# Altium PCB PCB.PcbDoc (part 2 of 2)
Units mil, origin at the board's own origin, x right, y up, seen from the top; angles counter-clockwise.
Board outline 5905.51 x 3937.01 mil, 4 copper layers (Top Layer, Mid Layer 1, Mid Layer 2, Bottom Layer), stack 61.811 mil thick; 117 components, 110 nets, 466 pads, 339 vias.
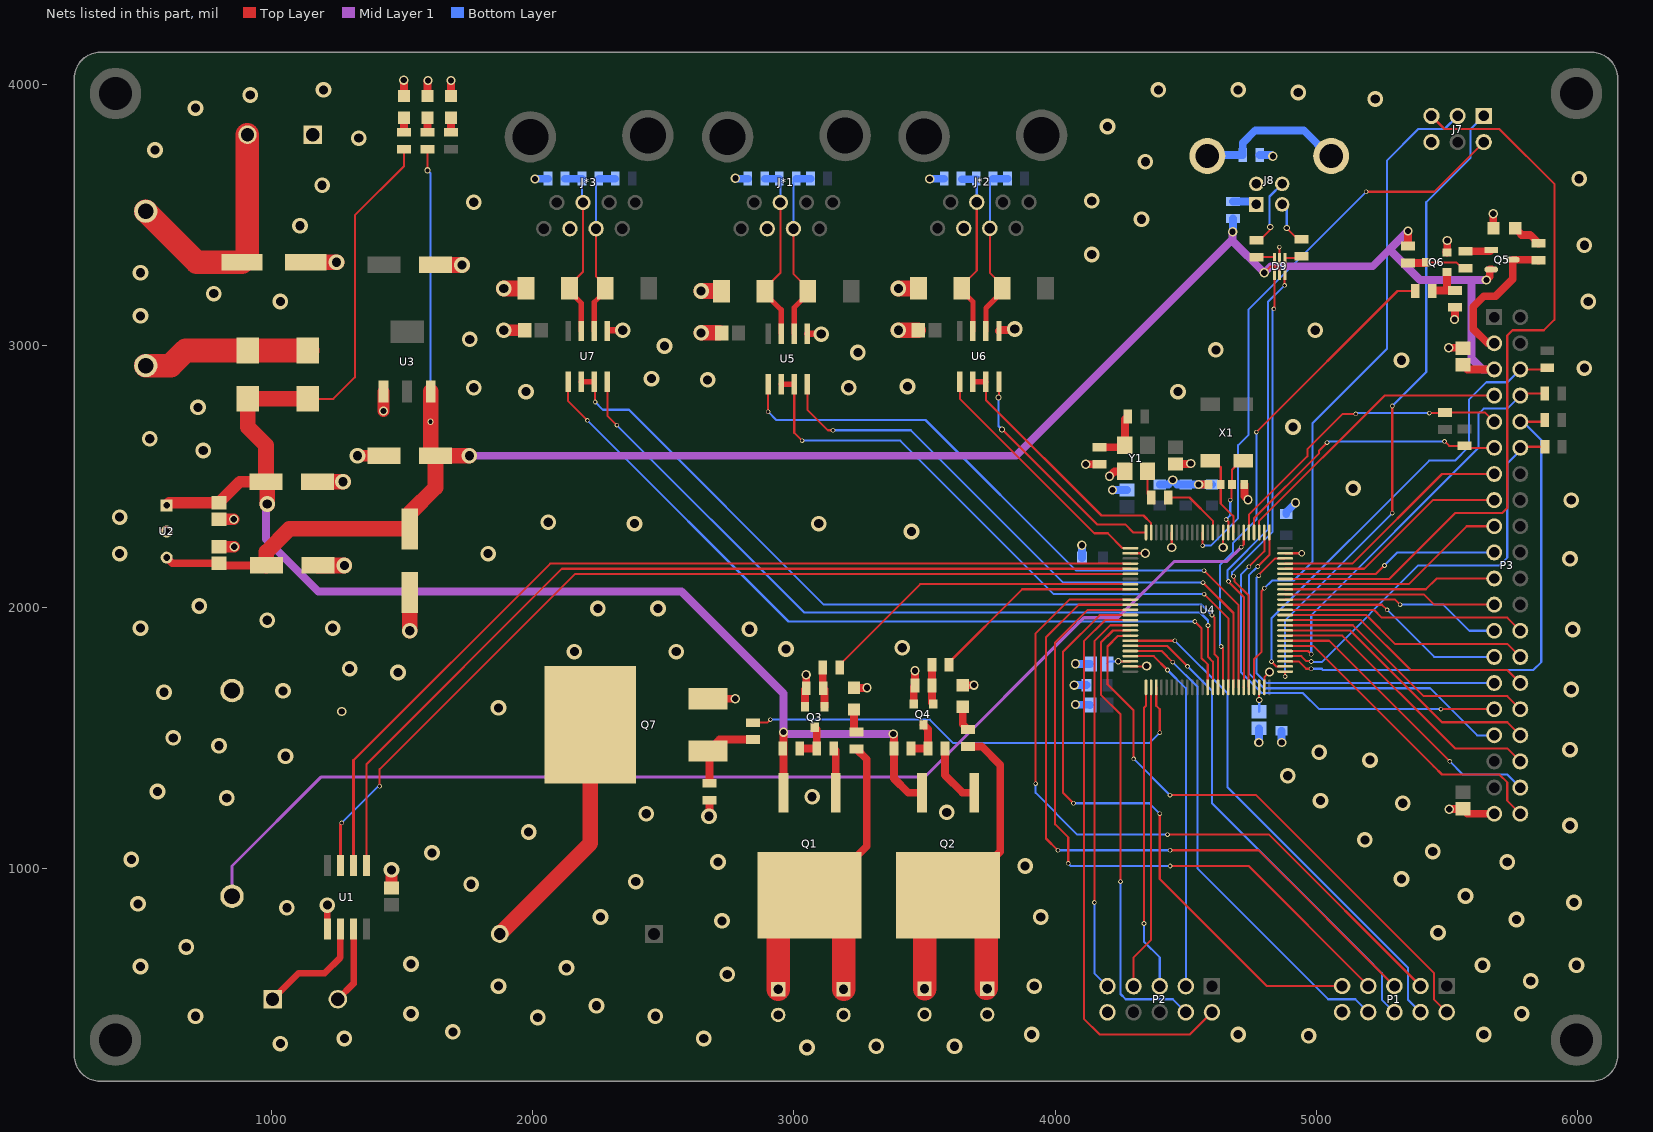
[diagram p4: the nets of this part, all layers, seen from the top]

## Via types
v1: diameter 60, hole 35, Top Layer to Bottom Layer, tented both sides, 199 vias
v2: diameter 17.72, hole 11.81, Top Layer to Bottom Layer, tented both sides, 68 vias
v3: diameter 35.43, hole 23.62, Top Layer to Bottom Layer, tented both sides, 53 vias
v4: diameter 23.62, hole 15.75, Top Layer to Bottom Layer, tented both sides, 19 vias

## Nets (pads, with @x,y where several pads share a name; then routed paths per layer and width w, separated by ;. In a path a pad name is that pad's centre, name@x,y a point inside that pad or via, vN(x,y) a via of type N, cw(c..) or ccw(c..) an arc to the next point about the centre after c; other vN are vias at no path point) (continued)
+5: C4.2 C5.2 C7.1 C8.2 C14.1 D9.5 P3.5 Q5.2 R12.2 R23.2 R38.2 U2.3 U3.3 | length 8178.2
  Top Layer w8: v4(1598,3672) R12.2@1598,3752.52 ; v3(4800,3280) 4823,3303 4855,3303 4859,3299 D9.5@4859,3272.31
  Top Layer w30: U2.3@600,2190 621.72,2168.28 C7.1@800,2168.28 808.28,2160 C5.2@981.57,2160 ; R23.2@5350,3382.48 v3(5350,3440) ; C14.1@5560,2928.28 5578.28,2910 P3.5@5680,2910 ; v3(5650,3252) 5662.69,3264.69 5662.69,3292.6 Q5.2@5669.05,3292.6
  Top Layer w60: C5.2@981.57,2160 981.57,2211.57 1070,2300 C4.2@1530,2300 1530,2360 1628.43,2458.43 C8.2@1628.43,2580 ; U3.3@1610.55,2825.83 1610.55,2710.55 v4(1610,2710) 1610.55,2709.45 1610.55,2597.87 C8.2@1628.43,2580 ; v1(1758.25,2580) C8.2@1628.43,2580
  Mid Layer 1 w30: v1(1758.25,2580) 3850,2580 4679,3409 4679,3416.69 v3(4679,3437) ; 4675,3405 v3(4800,3280) 4825,3305 5215,3305 v3(5350,3440) 5279,3369 5396,3252 5596,3252 ; v3(5650,3252) 5596,3252 ; P3.5@5680,2910 5635,2910 5593,2952 5593,3249 5596,3252
  Bottom Layer w8: v4(1598,3672) 1610,3660 v4(1610,2710)
  Bottom Layer w30: v3(4679,3437) 4680,3438 R38.2@4680,3487.52
+24: C3.2 C6.1 D1.1 D2.1 Q1.3 Q2.3 R1.2 R2.2 R11.2 U2.1 | length 5717.8
  Top Layer w8: D1.1@1140,2797.48 1237.48,2797.48 1320,2880 1320,3500 1508,3688 R11.2@1508,3752.52
  Top Layer w30: v1@980,2400 v1(985,2395) ; Q1.3@2960,1290 2960,1521.95 v3(2960.08,1522.02) ; v3(3380,1515) 3383.52,1511.48 R2.2@3383.52,1460 3383.52,1344.48 3437.84,1290.16 Q2.3@3490,1290.16
  Top Layer w45: U2.1@600,2390 610,2400 C6.1@800,2400 880,2480 C3.2@980,2480
  Top Layer w60: v1(985,2395) 985,2475 C3.2@980,2480 980,2520 980,2620 910,2690 D2.1@910,2797.48 D1.1@1140,2797.48
  Mid Layer 1 w30: v1(985,2395) 980,2390 980,2260 1180,2060 2570,2060 2960.08,1669.92 v3(2960.08,1522.02) 2967.1,1515 v3(3380,1515)
BOOT0: J7.5 U4.94 | length 2925.2
  Top Layer w8: U4.94@4880,2108.11 5278.11,2108.11 5530,2360 5710,2360 5730,2380 5730,3040 5750,3060 5870,3060 5910,3100 5910,3620 5700,3830 5490,3830 J7.5@5440,3880
BtnCancel: P1.6 U4.45 | length 1902.3
  Top Layer w8: U4.45@4287.48,1852.2 4427.8,1852.2 v2(4506.13,1773.87)
  Bottom Layer w8: v2(4506.13,1773.87) 4600,1680 4600,1250 5190,660 5250,600 5250,498.66 P1.6@5298.02,450.64
BtnDC_ON: P1.4 U4.44 | length 1981.2
  Top Layer w8: U4.44@4287.48,1871.89 v2(4458.11,1871.89)
  Bottom Layer w8: v2(4458.11,1871.89) 4660,1670 4660,1310 5350,620 5350,498.66 P1.4@5398.02,450.64
BtnDOWN: P1.5 U4.37 | length 2710.9
  Top Layer w8: v2(4010,1070) 3965,1115 3965,1885 4089.68,2009.68 U4.37@4287.48,2009.68 ; v2(4440,1070) 4778.66,1070 P1.5@5298.02,550.64
  Bottom Layer w8: v2(4010,1070) v2(4440,1070)
BtnENC: P2.9 U4.41 | length 1503.4
  Top Layer w8: v2(4150,870) 4150,1870 4210.94,1930.94 U4.41@4287.48,1930.94
  Bottom Layer w8: v2(4150,870) 4150,600 P2.9@4200,550
BtnLEFT: P1.7 U4.38 | length 2548.2
  Top Layer w8: v2(4050,1020) 4050,1119.44 4000,1169.44 4000,1865 4125,1990 U4.38@4287.48,1990 ; v2(4440,1010) 4740,1010 5198.02,551.98 P1.7@5198.02,550.64
  Bottom Layer w8: v2(4050,1020) 4060,1010 v2(4440,1010)
BtnLEFT_WHEEL: P2.3 U4.47 | length 1403.4
  Top Layer w8: U4.47@4287.48,1812.83 4377.17,1812.83 v2(4430,1760)
  Bottom Layer w8: v2(4430,1760) 4500,1690 P2.3@4500,550
BtnLOAD_ON: P2.7 U4.52 | length 1171.6
  Top Layer w8: P2.7@4300,550 4300,660 4367.2,727.2 U4.52@4367.2,1693.74
BtnMenu: P1.8 U4.46 | length 1890.1
  Top Layer w8: U4.46@4287.48,1832.52 4407.48,1832.52 v2(4450,1790)
  Bottom Layer w8: v2(4450,1790) 4545,1695 4545,1000 5045,500 5148.66,500 P1.8@5198.02,450.64
BtnOK: P1.2 U4.43 | length 2235
  Top Layer w8: U4.43@4287.48,1891.57 4285.91,1890 4240,1890 4200,1850 4200,1705 4300,1605 v2(4300,1420) ; v2(4439.19,1280.81) 4769.19,1280.81 5450,600 5450,498.66 P1.2@5498.02,450.64
  Bottom Layer w8: v2(4300,1420) v2(4439.19,1280.81)
BtnRIGHT: P1.9 U4.39 | length 2376.3
  Top Layer w8: v2(4070,1250) 4030,1290 4030,1830 4170,1970 4287.17,1970 U4.39@4287.48,1970.31 ; v2(4400,1210) 4400,960 4809.36,550.64 P1.9@5098.02,550.64
  Bottom Layer w8: v2(4070,1250) 4360,1250 v2(4400,1210)
BtnRIGHT_WHEEL: P2.5 U4.51 | length 1171.7
  Top Layer w8: v2(4340,790) 4340,880 4340,1615 4347.52,1622.52 U4.51@4347.52,1693.74
  Bottom Layer w8: v2(4340,790) 4340,720 4400,660 P2.5@4400,550
BtnUP: P1.3 U4.36 | length 2805.3
  Top Layer w8: v2(3925,1325) 3925,1900 4054.37,2029.37 U4.36@4287.48,2029.37 ; v2(4430,1130) 4818.66,1130 P1.3@5398.02,550.64
  Bottom Layer w8: v2(3925,1325) 3925,1290 4085,1130 v2(4430,1130)
Buzzer: R37.1 U4.53 | length 1793.8
  Top Layer w8: R37.1@2844,1558.48 2873.8,1558.48 2898.48,1558.48 v2(2910,1570) ; U4.53@4386.89,1693.74 4386.89,1623.11 4400,1610 v2(4400,1520)
  Bottom Layer w8: v2(2910,1570) 3520,1570 3610,1480 4360,1480 v2(4400,1520)
CS: P3.11 R21.1 U4.4 | length 1111.8
  Top Layer w8: U4.4@4760.91,2286.26 4760.91,2340.91 5010,2590 5010,2600 v2(5040,2630) ; v2(5490,2635) 5507.48,2617.52 R21.1@5566,2617.52 5573.52,2610 P3.11@5680,2610
  Bottom Layer w8: v2(5040,2630) 5045,2635 v2(5490,2635)
CS_MAX: U1.6 U4.29 | length 3688
  Top Layer w8: 1315,1415 2067.17,2167.17 U4.29@4287.48,2167.17
  Top Layer w10: U1.6@1315,1011 1315,1415
D+: J8.3 R40.1 | length 266.1
  Top Layer w8: R40.1@4770,3404.48 4782.48,3404.48 4823,3445 v4(4823,3455)
  Bottom Layer w8: v4(4823,3455) 4820,3458 4820,3571.57 J8.3@4868.43,3620
D-: J8.2 R39.1 | length 181.4
  Top Layer w8: v4(4886,3451) 4928.52,3408.48 R39.1@4942,3408.48
  Bottom Layer w8: J8.2@4868.43,3541.26 4886,3541.26 v4(4886,3451)
DB0: P3.40 U4.81 | length 1207
  Top Layer w8: U4.81@4880,1852.2 4944.84,1852.2 4970.12,1852.2 4987.8,1852.2 5448.28,1391.72 5480,1360 5494.85,1360 5700,1360 5730,1330 5730,1260 P3.40@5780,1210
DB1: P3.38 U4.82 | length 1132.7
  Top Layer w8: U4.82@4880,1871.89 5048.11,1871.89 v2(5510,1410)
  Bottom Layer w8: v2(5510,1410) 5560,1360 5730,1360 P3.38@5780,1310
DB2: P3.36 U4.83 | length 1099.5
  Top Layer w8: U4.83@4880,1891.57 5098.43,1891.57 5530,1460 5730,1460 P3.36@5780,1410
DB3: P3.34 U4.84 | length 1066.2
  Top Layer w8: U4.84@4880,1911.26 5128.74,1911.26 5480,1560 5730,1560 P3.34@5780,1510
DB4: P3.32 U4.85 | length 1032.9
  Top Layer w8: U4.85@4880,1930.94 5139.06,1930.94 5410,1660 5730,1660 P3.32@5780,1610
DB5: P3.30 U4.86 | length 999.7
  Top Layer w8: U4.86@4880,1950.63 5169.37,1950.63 5360,1760 5730,1760 P3.30@5780,1710
DB6: P3.28 U4.87 | length 966.4
  Top Layer w8: U4.87@4880,1970.31 5189.69,1970.31 5300,1860 5730,1860 P3.28@5780,1810
DB7: P3.26 U4.88 | length 933.1
  Top Layer w8: U4.88@4880,1990 5220,1990 5250,1960 5730,1960 P3.26@5780,1910
DB8: P3.27 U4.89 | length 882.7
  Top Layer w8: U4.89@4880,2009.68 5250.31,2009.68 v2(5270,1990)
  Bottom Layer w8: v2(5270,1990) 5450,1810 P3.27@5680,1810
DB9: P3.25 U4.90 | length 849.4
  Top Layer w8: U4.90@4880,2029.37 5300.63,2029.37 v2(5320,2010)
  Bottom Layer w8: v2(5320,2010) 5485,2010 5585,1910 P3.25@5680,1910
DB10: P3.23 U4.91 | length 816.2
  Top Layer w8: U4.91@4880,2049.06 5297.99,2049.06 5323.27,2049.06 5410.94,2049.06 5450,2010 P3.23@5680,2010
DB11: P3.21 U4.92 | length 817.1
  Top Layer w8: U4.92@4880,2068.74 5418.74,2068.74 5460,2110 P3.21@5680,2110
DB12: P3.19 U4.95 | length 834.1
  Top Layer w8: U4.95@4880,2127.8 5227.8,2127.8 v2(5260,2160)
  Bottom Layer w8: v2(5260,2160) 5310,2210 P3.19@5680,2210
DB13: P3.17 U4.93 | length 891.8
  Top Layer w8: U4.93@4880,2088.43 5353.43,2088.43 5575,2310 P3.17@5680,2310
DB14: P3.15 U4.96 | length 908.7
  Top Layer w8: U4.96@4880,2147.48 5182.48,2147.48 5445,2410 P3.15@5680,2410
DB15: P3.13 U4.97 | length 942
  Top Layer w8: U4.97@4880,2167.17 5137.17,2167.17 5480,2510 P3.13@5680,2510
Dir1: U4.67 U5.2 U5.3 | length 2454.1
  Top Layer w8: U5.3@3001.46,2852.95 3001.46,2667.83 v2(3031.5,2637.8) ; v2(4570,2050) 4662.48,1957.52 U4.67@4662.48,1693.74
  Top Layer w20: U5.2@2951.46,2852.95 U5.3@3001.46,2852.95
  Bottom Layer w8: v2(3031.5,2637.8) 3407.2,2637.8 3995,2050 v2(4570,2050)
Dir2: U4.24 U6.2 U6.3 | length 982.9
  Top Layer w8: U6.3@3735,2862.95 3735,2793 4177,2351 4338,2351 4367.2,2321.8 U4.24@4367.2,2286.26
  Top Layer w20: U6.2@3685,2862.95 U6.3@3735,2862.95
Dir3: U4.65 U7.2 U7.3 | length 3112.9
  Top Layer w8: U7.3@2236.34,2862.95 2239.48,2859.81 v2(2239.48,2785.42) ; v2(4600,1970) 4610,1960 4610,1820 4623.11,1806.89 U4.65@4623.11,1693.74
  Top Layer w20: U7.2@2186.34,2862.95 U7.3@2236.34,2862.95
  Bottom Layer w8: v2(2239.48,2785.42) 2268.99,2755.91 2369.09,2755.91 3115,2010 4560,2010 v2(4600,1970)
EncA: P2.2 U4.40 | length 2205.9
  Top Layer w8: U4.40@4287.48,1950.63 4190.63,1950.63 4110,1870 4110,425 4170,365 4515,365 P2.2@4600,450
EncB: P2.4 U4.42 | length 1786.7
  Top Layer w8: v2(4250,950) 4250,1590 4175,1665 4175,1865 4221.26,1911.26 U4.42@4287.48,1911.26
  Bottom Layer w8: v2(4250,950) 4250,520 4270,500 4450,500 P2.4@4500,450
F_CS: P3.9 R19.1 U4.5 | length 1199.3
  Top Layer w8: U4.5@4741.22,2286.26 4741.22,2353.75 4965,2577.53 4965,2605 5100,2740 v2(5150,2740) ; v2(5432.06,2742.67) 5489.19,2742.67 R19.1@5492,2745.48 5644.52,2745.48 P3.9@5680,2710
  Bottom Layer w8: v2(5150,2740) 5152.67,2742.67 v2(5432.06,2742.67)
FAN1: R7.1 U4.33 | length 1250
  Top Layer w8: R7.1@3175.48,1770 3175.48,1780.48 3483.43,2088.43 U4.33@4287.48,2088.43
FAN2: R8.1 U4.34 | length 818.6
  Top Layer w8: R8.1@3593.48,1780 3593.48,1788.48 3873.74,2068.74 U4.34@4287.48,2068.74
GND: 1.1 BT1.N C1.2 C2.1 C3.1 C4.1 C5.1 C6.2 C7.2 C8.1 C9.1 C10.2 C11.2 C12.1 C13.2 C14.2 C15.2 C16.2 C17.2 C18.2 C19.2 C20.2 C21.2 C22.2 C23.2 C24.2 C25.2 C26.2 C27.2 C28.2 D4.1 D6.1 D8.1 D9.2 DS1.2 DS2.2 DS3.2 DS4.2 DS5.2 DS6.2 J2.2 J3.2 J4.2 J5.2 J6.1 J7.6 J8.4 J*1.6 J*2.6 J*3.6 P1.10 P2.10 P3.39 Q3.2 Q4.2 Q6.2 Q7.3 R9.1 R10.1 R16.1 R27.1 R30.1 R33.1 R36.1 R41.1 U1.1 U2.2 U3.1 U4.10 U4.20 U4.27 U4.49 U4.74 U4.99 U5.5 U6.5 U7.5 Y1.2 | length 4223.5
  Top Layer w8: U4.49@4287.48,1773.46 4348.46,1773.46 v3(4350,1775) ; U4.27@4287.48,2206.54 v3(4344.46,2206.54) ; v3(4445.94,2228.94) U4.20@4445.94,2286.26 ; v3(4642.8,2228.8) U4.10@4642.8,2286.26 ; U4.74@4800.28,1693.74 4800.28,1732.23 v3(4820.01,1751.97) ; v2(4858,3378) 4859,3377 D9.2@4859,3335.69 ; U4.99@4880,2206.54 v4(4943.46,2206.54)
  Top Layer w25: U1.1@1215,769 v1(1215,860) ; U7.5@2289.29,3060 v1(2345,3060) ; U5.5@3051.46,3047.05 v1@3102.95,3047.05
  Top Layer w30: v3(1507,4017) 1508,4016 DS3.2@1508,3956.34 ; DS4.2@1598,3956.34 1598,4014 v3(1600,4016) ; v3(1687.59,4015.62) 1687.59,3956.75 DS5.2@1688,3956.34 ; Q7.3@2671.4,1650 v3(2776,1650) ; v1(2675,1200) 2677,1202 1.1@2677,1261.52 ; Q3.2@3042.6,1619.37 3042.6,1685.08 R9.1@3047.52,1690 3047.52,1741.48 v3(3047,1742) ; v1@3102.95,3047.05 v1(3105,3045) ; DS1.2@3230,1691.34 3279.34,1691.34 v3(3280,1692) ; Q4.2@3458.6,1629.37 3458.6,1695.08 R10.1@3463.52,1700 3463.52,1756.52 v3(3464,1757) ; DS2.2@3646,1701.34 3688.34,1701.34 v3(3689,1702) ; U6.5@3785,3057.05 3788.95,3061 3841,3061 v1(3845,3065) ; v3(4117,2547) 4169.48,2547 R16.1@4170,2547.52 ; v3(4208.28,2501.6) 4226.68,2520 Y1.2@4266.69,2520 ; C10.2@4460,2548.28 4517.28,2548.28 v3(4519,2550) ; v3(4549,2470) C12.1@4586.38,2470 ; C11.2@4723.62,2470 4723.86,2469.76 4723.86,2425.9 v3(4738.28,2411.47) ; Q6.2@5499.37,3357.4 5498,3358.77 5500,3360.77 v3(5500,3403) ; v3(5506,2993) 5558.72,2993 C14.2@5560,2991.72 ; v3(5508,1227) 5509.28,1228.28 C13.2@5560,1228.28 5578.28,1210 P3.39@5680,1210 ; v3(5528,3101) 5530,3103 R27.1@5530,3147.52 ; v3(5676.44,3505.57) 5676.44,3450.88 DS6.2@5677.32,3450
  Top Layer w45: C7.2@800,2231.72 v3(858.28,2231.72) ; C6.2@800,2336.55 v3(856.55,2336.55) ; v1(1330,2580) C8.1@1431.57,2580 ; v3(1429.45,2750.55) U3.1@1429.45,2825.83 ; C1.2@1460,925.72 v1(1460,995) ; v1(1890,3060) C28.2@1969.61,3060
  Top Layer w60: C3.1@1176.85,2480 v1(1275,2480) ; C5.1@1178.43,2160 v1(1280,2160) ; C2.1@1182,3320 v1(1250,3320) ; v1(1530,1910) C4.1@1530,2055.91 ; C9.1@1628.43,3310 v1(1730,3310) ; v1(1890,3220) D8.1@1975.2,3220 ; v1(2645,3050) C26.2@2714.73,3050 ; v1(2645,3210) D4.1@2723.39,3210 ; v1(3400,3060) C27.2@3476.55,3060 ; v1(3400,3220) D6.1@3476.93,3220
  Mid Layer 1 w8: v4(4943.46,2206.54) v4@4946,2204
  Bottom Layer w10: v3@4548.65,2470.35 v3(4549,2470)
  Bottom Layer w30: v3(2009.34,3639) 2010.34,3640 R36.1@2058.86,3640 ; v3(2776.17,3641.67) 2777.85,3640 R30.1@2823.98,3640 ; v3(3520,3639) 3521,3640 R33.1@3575.04,3640 ; v3(4073,1702) C18.2@4119.65,1702 ; v3(4078,1627.72) 4078.86,1626.86 4132.42,1626.86 C15.2@4133.28,1626 ; v3(4078,1784) 4079,1783 C24.2@4134.28,1783 ; v3(4102,2237) 4102.65,2236.35 C23.2@4102.65,2189 ; v3(4219,2449) 4219.28,2448.72 C16.2@4275,2448.72 ; C19.2@4400,2470.35 4433.35,2470.35 v3(4450,2487) 4466.65,2470.35 C21.2@4500,2470.35 v3@4548.65,2470.35 ; v3(4549,2470) 4549.35,2470.35 C22.2@4600,2470.35 ; v3(4779.47,1482.76) 4779.47,1536.02 C25.2@4780,1536.55 ; R41.1@4782.48,3730 4791,3730 4792,3731 4828,3731 v3(4833,3726) ; C20.2@4866,1527.65 4866,1483 v3(4867,1482) ; C17.2@4884,2356.35 4884,2364 v3(4920,2400)
  other v1: 3050,315 3315,320 3615,320 1035,330 1280,350 2655,350 4970,360 3910,365 4700,365 5640,365 1695,375 2020,430 710,435 2470,435 1535,445 5785,445 2245,475 1870,550 3920,550 5820,570 2745,595 2130,620 500,625 5635,630 5995,630 1535,635 675,700 5465,755 2725,800 5765,805 2260,815 3945,815 1060,850 490,865 5985,870 5570,895 1765,940 2395,950 5325,960 3885,1010 2710,1025 5730,1025 465,1035 1615,1060 5445,1065 5185,1110 1985,1140 5970,1165 2435,1210 3585,1215 5330,1250 5015,1260 830,1270 3070,1275 565,1295 4890,1355 5205,1415 1055,1430 5010,1445 5970,1455 800,1470 625,1500 1870,1615 590,1675 1045,1680 5975,1685 1485,1750 1300,1765 2160,1830 2550,1830 2970,1840 3415,1845 5980,1915 2830.01,1915.7 500,1920 1235,1920 985,1950 2250,1995 2480,1995 725,2005 5970,2185 420,2205 1830,2205 3450,2290 2390,2320 3095,2320 2060,2325 420,2345 5975,2410 5140,2455 740,2600 535,2645 4910,2690 720,2765 1975,2825 4470,2825 1775,2840 3210,2840 3435,2845 2670,2870 2455,2875 6025,2915 5325,2945 3245,2975 4615,2985 2505,3000 1760,3025 4995,3060 500,3115 1035,3170 6040,3170 780,3200 500,3280 4140,3350 6025,3385 1110,3460 4330,3485 1775,3550 4140,3555 1195,3615 6005,3640 4345,3705 555,3750 1335,3795 4200,3840 710,3910 5225,3945 920,3960 4930,3970 1200,3980 4395,3980 4700,3980
  other v3: 1270,1601
HSE_Clock: R15.2 U4.12 | length 252.3
  Top Layer w8: R15.2@4432.48,2420 4514,2420 4603.43,2330.57 U4.12@4603.43,2286.26
LED_A: P3.3 Q5.3 R24.2 | length 556.7
  Top Layer w30: P3.3@5680,3010 5655,3010 5600,3065 5600,3150 5640,3190 5685,3190 5750.95,3255.95 Q5.3@5750.95,3330 5847.52,3330 R24.2@5850,3327.52
LED_A_DRIVER: R26.1 U4.66 | length 1870.7
  Top Layer w8: v2(4635,1850) 4642.8,1842.2 U4.66@4642.8,1693.74 ; v2(4770,2670) 5310,3210 R26.1@5377.52,3210
  Bottom Layer w8: v2(4635,1850) 4630,1855 4630,2160 4680,2210 4680,2245 4770,2335 4770,2532.05 v2(4770,2670)
LSE_1: C12.2 U4.8 X1.4 | length 319.6
  Top Layer w8: X1.4@4594.02,2560 4610,2560 4633.62,2536.38 C12.2@4633.62,2470 4633.62,2396.38 4669.62,2360.38 4682.17,2347.83 4682.17,2324.88 U4.8@4682.17,2286.26
LSE_2: C11.1 U4.9 X1.1 | length 310.4
  Top Layer w8: v2(4654,2336) 4662.48,2327.52 U4.9@4662.48,2286.26 ; v2(4670,2410) 4675.43,2415.43 4675.43,2469.05 C11.1@4676.38,2470 4676.38,2526.38 4710,2560 X1.1@4720,2560
  Bottom Layer w8: v2(4654,2336) 4670,2352 v2(4670,2410)
Net1_2: 1.2 Q7.1 R37.2 | length 316.5
  Top Layer w30: 1.2@2677,1326.48 2677,1444.4 Q7.1@2671.4,1450 2714.92,1493.52 R37.2@2844,1493.52
NetC24_1: C24.1 U4.48 | length 94
  Top Layer w8: v4(4241.15,1793.15) U4.48@4287.48,1793.15
  Bottom Layer w8: C24.1@4197.72,1783 4207.87,1793.15 v4(4241.15,1793.15)
NetC25_1: C25.1 U4.73 | length 94.3
  Top Layer w8: U4.73@4780.59,1693.74 4780.59,1645.41 v4(4781,1645)
  Bottom Layer w8: C25.1@4780,1600 4781,1601 v4(4781,1645)
NetD1_2: D1.2 D2.2 XF1.2 | length 643.9
  Top Layer w90: XF1.2@520,2924.72 614.72,2924.72 672.52,2982.52 D2.2@910,2982.52 D1.2@1140,2982.52
NetD3_1: D3.1 J*1.4 R28.1 R29.2 U5.6 | length 696.7
  Top Layer w8: J*1.4@2998.3,3448.81 2998.3,3276.16 3053.39,3221.07 D3.1@3053.39,3210 D3.1@3053.39,3198.93
  Top Layer w20: U5.6@3001.46,3047.05 3001.46,3147 D3.1@3053.39,3198.93
  Bottom Layer w8: J*1.4@2998.3,3448.81 2998.3,3629.36 R29.2@3008.94,3640
  Bottom Layer w30: R29.2@3008.94,3640 R28.1@3063.98,3640
NetD4_2: D4.2 J*1.5 R29.1 R30.2 U5.7 | length 699.8
  Top Layer w8: D4.2@2889.53,3199.93 D4.2@2889.53,3210 2889.53,3220.07 2948.3,3278.84 J*1.5@2948.3,3548.81
  Top Layer w20: D4.2@2889.53,3199.93 2951.46,3138 U5.7@2951.46,3047.05
  Bottom Layer w8: R29.1@2943.98,3640 2948.3,3635.68 J*1.5@2948.3,3548.81
  Bottom Layer w30: R30.2@2888.94,3640 R29.1@2943.98,3640
NetD5_1: D5.1 J*2.4 R31.1 R32.2 U6.6 | length 688.3
  Top Layer w8: J*2.4@3750,3450 3750,3280 3796.93,3233.07 D5.1@3796.93,3220 D5.1@3796.93,3206.93
  Top Layer w20: U6.6@3735,3057.05 3735,3145 D5.1@3796.93,3206.93
  Bottom Layer w8: J*2.4@3750,3450 3750,3627.52 R32.2@3762.48,3640
  Bottom Layer w30: R32.2@3762.48,3640 R31.1@3817.52,3640
NetD6_2: D6.2 J*2.5 R32.1 R33.2 U6.7 | length 682.4
  Top Layer w8: D6.2@3643.07,3210.93 D6.2@3643.07,3220 3643.07,3231.07 3700,3288 J*2.5@3700,3550
  Top Layer w20: D6.2@3643.07,3210.93 3685,3169 U6.7@3685,3057.05
  Bottom Layer w8: R33.2@3640,3640 R33.2@3642.48,3637.52 ; J*2.5@3700,3550 R32.1@3700,3637.52
  Bottom Layer w30: R33.2@3642.48,3637.52 R32.1@3700,3637.52
NetD7_1: D7.1 J*3.4 R34.1 R35.2 U7.6 | length 681.8
  Top Layer w8: J*3.4@2243.18,3448.81 2243.18,3265.16 2260.34,3248 2260.34,3237.93 D7.1@2278.27,3220 D7.1@2278.27,3208.93
  Top Layer w20: U7.6@2236.34,3057.05 2236.34,3167 D7.1@2278.27,3208.93
  Bottom Layer w8: J*3.4@2243.18,3448.81 2243.18,3629.36 R35.2@2253.82,3640
  Bottom Layer w30: R35.2@2253.82,3640 R34.1@2316.38,3640
NetD8_2: D8.2 J*3.5 R35.1 R36.2 U7.7 | length 689.9
  Top Layer w8: D8.2@2141.34,3209 D8.2@2141.34,3220 2141.34,3232 2193.18,3283.84 J*3.5@2193.18,3548.81
  Top Layer w20: D8.2@2141.34,3209 2186.34,3164 U7.7@2186.34,3057.05
  Bottom Layer w8: R35.1@2188.86,3640 2188.86,3553.13 J*3.5@2193.18,3548.81
  Bottom Layer w30: R36.2@2123.82,3640 R35.1@2188.86,3640
NetD9_1: D9.1 R39.2 | length 66.6
  Top Layer w8: D9.1@4878.68,3335.69 4934.17,3335.69 R39.2@4942,3343.52
NetD9_3: D9.3 R40.2 | length 70.9
  Top Layer w8: R40.2@4770,3339.52 4835.49,3339.52 D9.3@4839.31,3335.69
NetDS1_1: DS1.1 R5.1 | length 90.3
  Top Layer w30: DS1.1@3230,1608.66 3230,1532.48 R5.1@3240,1522.48
NetDS2_1: DS2.1 R6.1 | length 94.5
  Top Layer w30: DS2.1@3646,1618.66 3646,1552.48 R6.1@3666,1532.48
NetDS3_1: DS3.1 R11.1 | length 56.2
  Top Layer w30: R11.1@1508,3817.48 DS3.1@1508,3873.66
NetDS4_1: DS4.1 R12.1 | length 56.2
  Top Layer w30: R12.1@1598,3817.48 DS4.1@1598,3873.66
NetDS5_1: DS5.1 R13.1 | length 56.2
  Top Layer w30: R13.1@1688,3817.48 DS5.1@1688,3873.66
NetDS6_1: DS6.1 R24.1 | length 113.8
  Top Layer w30: DS6.1@5760,3450 5785,3425 5817.48,3425 R24.1@5850,3392.48
NetJ2_1: J2.1 J3.1 Q1.2 R5.2 | length 1507.7
  Top Layer w30: Q1.2@2940,778.27 Q1.2@3060,898.27 ; Q1.2@3190,768.27 Q1.2@3060,898.27 ; R5.2@3240,1457.52 3279,1418.52 3279,1086 3091.27,898.27 Q1.2@3060,898.27
  Top Layer w90: J3.1@2940,538.43 Q1.2@2940,778.27 ; J2.1@3190,538.43 Q1.2@3190,768.27
NetJ4_1: J4.1 J5.1 Q2.2 R6.2 | length 1569.9
  Top Layer w30: Q2.2@3500,808.43 Q2.2@3590,898.43 ; R6.2@3666,1467.52 3718.48,1467.52 3790,1396 3790,1065 3623.43,898.43 Q2.2@3590,898.43 ; J5.1@3737,543 J5.1@3740,540 ; Q2.2@3737,751.43 Q2.2@3590,898.43
  Top Layer w90: J4.1@3500,540 Q2.2@3500,808.43 ; J5.1@3737,543 Q2.2@3737,751.43
NetJ8_1: J8.1 R38.1 | length 94.6
  Bottom Layer w30: R38.1@4680,3552.48 4758.78,3552.48 J8.1@4770,3541.26
NetJ8_5: J8.5 J8.6 R41.2 | length 582.7
  Bottom Layer w30: J8.6@4582.2,3726.69 4585.51,3730 R41.2@4717.52,3730 4717.52,3776.52 4766,3825 4951,3825 5049.31,3726.69 J8.5@5056.22,3726.69
NetLS1_2: pad.2 Q7.4 | length 998.2
  Top Layer w30: Q7.4@2221.4,1495.4 Q7.4@2221.4,1550
  Top Layer w60: pad.2@1874.72,750 2221.4,1096.67 Q7.4@2221.4,1550
NetQ1_1: Q1.1 R3.2 | length 173.1
  Top Layer w30: R3.2@3152.48,1460 3160,1452.48 Q1.1@3160,1290
NetQ2_1: Q2.1 R4.2 | length 241.9
  Top Layer w30: R4.2@3578.48,1460 3578.48,1357.52 3645.84,1290.16 Q2.1@3690,1290.16
NetQ3_1: Q3.1 R7.2 R9.2 | length 153.5
  Top Layer w30: R7.2@3110.52,1770 3110.52,1691.96 R9.2@3112.48,1690 3117.4,1685.08 Q3.1@3117.4,1619.37
NetQ3_3: Q3.3 R1.1 R3.1 | length 148.8
  Top Layer w30: R1.1@3022.48,1460 R3.1@3087.52,1460 3087.52,1533.11 Q3.3@3080,1540.63
NetQ4_1: Q4.1 R8.2 R10.2 | length 152.7
  Top Layer w30: R8.2@3528.52,1780 R10.2@3528.48,1700 R10.2@3528.48,1700 3528.48,1634.29 Q4.1@3533.4,1629.37
NetQ4_3: Q4.3 R2.1 R4.1 | length 162.9
  Top Layer w30: R2.1@3448.48,1460 R4.1@3513.52,1460 3513.52,1533.11 Q4.3@3496,1550.63
NetQ5_1: Q5.1 R25.2 | length 101.1
  Top Layer w8: Q5.1@5664.13,3362.48 Q5.1@5669.05,3367.4
  Top Layer w30: R25.2@5570,3362.48 Q5.1@5664.13,3362.48
NetQ6_1: Q6.1 R26.2 R27.2 | length 181.6
  Top Layer w8: R26.2@5442.48,3210 R26.2@5444.96,3212.48 ; 5499.37,3225.63 5512.52,3212.48 R27.2@5530,3212.48
  Top Layer w30: R26.2@5444.96,3212.48 R27.2@5530,3212.48 ; 5499.37,3225.63 Q6.1@5499.37,3282.6
NetQ6_3: Q6.3 R23.1 R25.1 | length 233.8
  Top Layer w8: Q6.3@5418.15,3317.52 Q6.3@5420.63,3320 5535,3320 5557.48,3297.52 R25.1@5570,3297.52
  Top Layer w30: R23.1@5350,3317.52 5418.15,3317.52 Q6.3@5420.63,3320
NetR14_1: R14.1 R16.2 Y1.1 | length 214.3
  Top Layer w30: R16.2@4170,2612.48 4259.17,2612.48 Y1.1@4266.69,2620 4266.69,2719.17 R14.1@4277.52,2730
NetR15_1: R15.1 Y1.3 | length 105.9
  Top Layer w8: Y1.3@4353.31,2520 4353.31,2434.21 R15.1@4367.52,2420
NRST: J7.2 U4.14 | length 2211
  Top Layer w8: v2(4564.06,2235.94) U4.14@4564.06,2286.26 ; v2(5190,3590) 5450,3590 J7.2@5640,3780
  Bottom Layer w8: v2(4564.06,2235.94) 4585.94,2235.94 4595.94,2235.94 4660,2300 4700,2340 4700,2620 4740,2660 4740,3140 v2(5190,3590)
RD: P3.29 U4.98 | length 1432.1
  Top Layer w8: v2(4779,2121) 4779,2124 4841.85,2186.85 U4.98@4880,2186.85
  Bottom Layer w8: v2(4779,2121) 4770.52,2112.52 4770.52,1747.48 4808,1710 P3.29@5680,1710
REST: P3.7 U4.3 | length 1142.3
  Top Layer w8: U4.3@4780.59,2286.26 4780.59,2330.59 5260,2810 P3.7@5680,2810
RS: P3.33 U4.1 | length 1608.5
  Top Layer w8: v2(4775,2156) 4819.96,2200.96 U4.1@4819.96,2286.26
  Bottom Layer w8: v2(4775,2156) 4741,2122 4741,1748 4799,1690 5435,1690 5615,1510 P3.33@5680,1510
RTC: BT1.P U4.6 | length 4543.6
  Top Layer w8: v2(4712,2230) 4721.54,2239.54 U4.6@4721.54,2286.26
  Mid Layer 1 w12: BT1.P@850,893.94 850,1010 1190,1350 3500,1350 4110,1960 4240,1960 4455,2175 4657,2175 v2(4712,2230)
Rx1: U4.69 U5.1 | length 2526.1
  Top Layer w8: v2(2901.46,2748.15) U5.1@2901.46,2852.95 ; v2(4570,2140) 4701.85,2008.15 U4.69@4701.85,1693.74
  Bottom Layer w8: v2(2901.46,2748.15) 2933.07,2716.54 3503.94,2716.54 4080.47,2140 v2(4570,2140)
Rx2: U4.26 U6.1 | length 954.3
  Top Layer w8: U6.1@3635,2862.95 3635,2798 4150,2283 4201,2283 4257.78,2226.22 U4.26@4287.48,2226.22
Rx3: U4.63 U7.1 | length 3093.9
  Top Layer w8: U7.1@2136.34,2862.95 2136.34,2788.66 v2(2210,2715) ; v2(4534.51,1945.49) 4560,1920 4560,1805 4583.74,1781.26 U4.63@4583.74,1693.74
  Bottom Layer w8: v2(2210,2715) 2979.51,1945.49 v2(4534.51,1945.49)
SCK_MAX: U1.5 U4.30 | length 3621.1
  Top Layer w8: U1.5@1365,1011 1365,1400 2112.48,2147.48 U4.30@4287.48,2147.48
SD_CLK: P3.10 R20.1 U4.78 | length 2061.3
  Top Layer w8: U4.78@4880,1793.15 4931.85,1793.15 4960.22,1764.78 v2@4979.78,1764.78 ; P3.10@5780,2710 5866.52,2710 R20.1@5873.52,2717
  Bottom Layer w8: v2(4980,1764.57) 5020.43,1764.57 5025,1760 5640,1760 5830,1760 5860,1790 5860,2640 5790,2710 P3.10@5780,2710
SD_CS: P3.6 R17.1 U4.77 | length 1783.2
  Top Layer w8: v2(4828,1792) 4846.54,1773.46 U4.77@4880,1773.46 ; P3.6@5780,2910 5876.48,2910 R17.1@5883,2916.52
  Bottom Layer w8: v2(4828,1792) 4828,1958 5431,2561 5530,2561 5583,2614 5583,2794 5650,2861 5731,2861 P3.6@5780,2910
SD_DIN: P3.8 R18.1 U4.80 | length 1576.1
  Top Layer w8: U4.80@4880,1832.52 4967.48,1832.52 v2(4980,1820) ; P3.8@5780,2810 5788,2818 R18.1@5873.52,2818
  Bottom Layer w8: v2(4980,1820) 4980,1970 5620,2610 5620,2740 5640,2760 5730,2760 P3.8@5780,2810
SD_DO: P3.12 R22.1 U4.79 | length 1562
  Top Layer w8: U4.79@4880,1812.83 4942.17,1812.83 4961.36,1793.64 4978.64,1793.64 v2(4980,1792.28) ; P3.12@5780,2610 5784,2614 R22.1@5874.52,2614
  Bottom Layer w8: v2(4980,1792.28) 4982.28,1790 5020,1790 5390,2160 5700,2160 5730,2190 5730,2550 5780,2600 P3.12@5780,2610
SO_MAX: U1.7 U4.31 | length 3616.3
  Top Layer w8: v2(1415,1315) 1415,1380 2162.8,2127.8 U4.31@4287.48,2127.8
  Top Layer w10: U1.7@1265,1011 1265,1170 v2(1270,1175)
  Bottom Layer w8: v2(1270,1175) 1410,1315 v2(1415,1315)
SWCLK: J7.1 U4.76 | length 2478.6
  Top Layer w8: v2(4880,1735) U4.76@4880,1753.78 ; v2(5290,2360) v2(5290,2770)
  Bottom Layer w8: v2(4880,1735) 4880,1950 v2(5290,2360) ; v2(5290,2770) 5420,2900 5420,3550 5560,3690 5590,3720 5590,3830 J7.1@5640,3880
SWDIO: J7.3 U4.72 | length 2615.7
  Top Layer w8: U4.72@4760.91,1693.74 4760.91,1800.91 4790,1830 4790,2062.28 v2(4800.31,2072.6)
  Bottom Layer w8: v2(4800.31,2072.6) 4830,2102.28 4912.28,2102.28 4985,2175 4985,2705 5270,2990 5270,3710 5390,3830 5490,3830 J7.3@5540,3880
T+: J1.2 U1.3 | length 293.9
  Top Layer w25: J1.2@1255,500 1315,560 U1.3@1315,769
T-: J1.1 U1.2 | length 435.3
  Top Layer w25: J1.1@1005,500 1105,600 1205,600 1265,660 U1.2@1265,769
Tx1: U4.68 U5.4 | length 2339
  Top Layer w8: U5.4@3051.46,2852.95 3051.46,2755.63 3129.92,2677.17 v2(3149.61,2677.17) ; v2(4565.6,2094.4) 4682.17,1977.83 U4.68@4682.17,1693.74
  Mid Layer 1 w8: v2(4565.6,2094.4) v2@4565.6,2099.11
  Bottom Layer w8: v2(3149.61,2677.17) 3447.83,2677.17 4030.6,2094.4 v2(4565.6,2094.4)
Tx2: U4.25 U6.4 | length 903
  Top Layer w8: v4(3783.21,2802.29) 3785,2804.08 U6.4@3785,2862.95 ; v4(3797,2680) 4160,2317 4268,2317 4298.74,2286.26 U4.25@4347.52,2286.26
  Bottom Layer w8: v4(3783.21,2802.29) 3783.21,2693.79 v4(3797,2680)
Tx3: U4.64 U7.4 | length 3016.1
  Top Layer w8: U7.4@2286.34,2862.95 2286.34,2733.35 v2(2322.83,2696.85) ; v2(4585,1930) 4585,1810 4603.43,1791.57 U4.64@4603.43,1693.74
  Bottom Layer w8: v2(2322.83,2696.85) 3039.68,1980 4554.15,1980 4585,1949.15 v2(4585,1930)
USB_N: D9.6 U4.70 | length 1698.9
  Top Layer w8: v2(4663,2099) 4663,2097 4722.38,2037.62 4722.38,1727.25 4722.3,1727.17 4722.3,1694.5 U4.70@4721.54,1693.74 ; v2(4878,3232) 4878,3271.62 D9.6@4878.68,3272.31
  Bottom Layer w8: v2(4663,2099) 4666.44,2102.44 4659.74,2109.13 4659.74,2116 4659.16,2116.58 4659.16,2141.62 4814,2296.46 4814,3168 v2(4878,3232)
USB_P: D9.4 U4.71 | length 1680
  Top Layer w8: v2(4682.6,2118.6) 4679.16,2115.16 4685.86,2108.47 4685.86,2099.6 4740.38,2045.08 4740.38,1694.58 U4.71@4741.22,1693.74 ; v2(4836.86,3142) 4834.43,3144.43 4839.31,3149.32 D9.4@4839.31,3272.31
  Bottom Layer w8: v2(4682.6,2118.6) 4677.16,2124.03 4677.16,2134.16 4832,2289 4832,3142 v2(4836.86,3142)
Vin24V: C2.2 J6.2 XF1.1 | length 946
  Top Layer w90: XF1.1@520,3515.28 715.28,3320 C2.2@887.95,3320 909.16,3341.21 J6.2@909.16,3808.36
WR: P3.31 U4.2 | length 1607.3
  Top Layer w8: v2(4741,2155) 4800.28,2214.28 U4.2@4800.28,2286.26 ; v2(5476,1610) 5660,1610 5670,1620 P3.31@5680,1610
  Bottom Layer w8: v2(4741,2155) 4711.75,2125.75 4711.75,1750.25 4790,1672 4948,1672 5010,1610 v2(5476,1610)
pads on no net: J*1.1 J*1.2 J*1.3 J*1.7 J*1.8 J*1.MNT2 J*1.MTN1 J*2.1 J*2.2 J*2.3 J*2.7 J*2.8 J*2.MNT2 J*2.MTN1 J*3.1 J*3.2 J*3.3 J*3.7 J*3.8 J*3.MNT2 J*3.MTN1 P2.6 P2.8 P3.1 P3.2 P3.4 P3.14 P3.16 P3.18 P3.20 P3.22 P3.24 P3.35 U1.8 U4.7 U4.13 U4.15 U4.16 U4.17 U4.18 U4.23 U4.32 U4.35 U4.54 U4.55 U4.56 U4.57 U4.58 U4.59 U4.60 U4.61 U4.62 X1.2 X1.3

## Polygon pours and split planes (outlines as drawn)
GND on Top Layer "GND_L01_P006" (solid, pour order 6): 314.96,4074.8 6102.36,4074.8 6102.36,236.22 314.96,236.22
+3.3 on Top Layer "+3.3_L01_P005" (solid, pour order 5): 1780,2705 1965,2520 1965,2435 3785,2435 3795,2445 3800,2440 3915,2440 4660,3185 4660,3320 4535,3445 4525,3435 4445,3435 4445,3415 3830,2800 3830,2770 3795,2735 3255,2735 3100,2580 2975,2580 2810,2745 2450,2745 2360,2655 2175,2655 2120,2710
+3.3 on Top Layer "+3.3_L01_P001" (solid, pour order 1): 1585,1485 1525,1425 1525,1205 1785,1205 1790,1200 1850,1260 1850,1460 1790,1495
+3.3 on Mid Layer 1 "+3.3_L02_P000" (solid, pour order 0): 314.96,4074.8 6102.36,4074.8 6102.36,236.22 314.96,236.22
GND on Mid Layer 2 "GND_L03_P007" (solid, pour order 7): 314.96,4079.8 6102.36,4079.8 6102.36,241.22 314.96,241.22

## Silkscreen, mask and mechanical layers (free items; w line width, h text height)
Top Overlay:
  circle w5.91: c2170,750 r484.25
  text "BOOT0" at 5449.57,3965 h40 r90
  text "SWDIO" at 5544.57,3965 h40 r90
  text "SWCLK" at 5644.57,3965 h40 r90
  text "GND" at 1384.11,3900 h80 r90
  text "+24V" at 630,3895 h80 r90
  text "GND" at 5444.57,3610 h40 r90
  text "+3.3" at 5549.57,3610 h40 r90
  text "NRST" at 5654.57,3610 h40 r90
  text "1A FUSE" at 735,3585 h65 r270
  text "DC/DC Converter Tester" at 2115,2371.79 h150
  text "Control Board" at 2475,2135 h250
  text "v1.0" at 3640.08,2020.58 h100
  text "LCD Interface" at 5488.67,1765 h120 r90
  text "Designed by:" at 3970,1197.57 h100
  text "Krzysztof Sikora" at 4155,1081.11 h120
  text "Front panel" at 4575,821.33 h120
  text "BUZZ" at 1663.65,750 h40 r90
  text "+3.3" at 4650,690.55 h50
  text "+3.3" at 5550,690.55 h50
  text "T+" at 1470,490 h100 r90
  text "T-" at 845,485 h100 r90
  text "+3.3V" at 2684.45,475 h50 r90
  text "GND" at 2880,290.55 h50
  text "GND" at 3445,290.55 h50
  text "GND" at 3680,290.55 h50
  text "GND" at 3130,285.55 h50
  text "GND" at 5000,260.55 h50
  text "GND" at 4085,255.55 h50
Mechanical 1:
  the board outline again, w47.24
Top 3D Body:
  circle w5.91: c2170,750 r484.25
Top Courtyard:
  lines w7.87: 1681.81,750 ccw(c2170,750) 2658.19,750 ccw(c2170,750) 1681.81,750
Top Assembly:
  text ".Designator" at 2170,742.51 h40 r180
Top Component Center:
  lines w3.94: 2150.32,750 2189.68,750 ; 2170,730.32 2170,769.69